# Allegro board 8880F5-0823_RXTX.brd (continued)
## Routing (per net, layer and track width the routed paths; a pad name or vN(x,y) marks a point on that pad's centre or on a via; arc(x,y) is an arc through that point) (continued)
 ; 241.3,80.47 D122.B4 ; D122.B4 241.3,82.09 ; D122.B4 240.49,81.28 ; D122.B4 242.11,81.28 ; 395.43,375.92 D111.A11 ; D111.A11 397.05,375.92 ; D111.A11 396.24,375.11 ; D111.A11 396.24,376.73 ; 194.87,83.82 D317.A15 ; D317.A15 196.29,83.82 ; D317.A15 195.58,83.11 ; D317.A15 195.58,84.53 ; 381,52.53 D107.A1 ; D107.A1 381,54.15 ; D107.A1 380.19,53.34 ; D107.A1 381.81,53.34 ; 401.32,37.29 D108.B9 ; D108.B9 401.32,38.91 ; D108.B9 400.51,38.1 ; D108.B9 402.13,38.1 ; 177.8,342.09 CSDPS429.B10 ; CSDPS429.B10 176.99,342.9 ; CSDPS429.B10 178.61,342.9 ; CSDPS429.B10 177.8,343.71 ; D431.B12 173.53,378.46 ; D431.B12 171.91,378.46 ; D431.B12 172.72,379.27 ; D431.B12 172.72,377.65 ; D132.B15 121.92,38.91 ; D132.B15 121.92,37.29 ; D132.B15 121.11,38.1 ; D132.B15 122.73,38.1 ; 235.41,60.96 D123.B2 ; D123.B2 236.22,61.77 ; D123.B2 236.22,60.15 ; D123.B2 237.03,60.96 ; CSDPS425.B6 261.62,343.71 ; CSDPS425.B6 260.81,342.9 ; CSDPS425.B6 262.43,342.9 ; CSDPS425.B6 261.62,342.09 ; D108.B15 417.37,38.1 ; D108.B15 415.75,38.1 ; D108.B15 416.56,37.29 ; D108.B15 416.56,38.91 ; 86.36,98.25 D129.B1 ; D129.B1 85.55,99.06 ; D129.B1 87.17,99.06 ; D129.B1 86.36,99.87 ; D129.B12 115.11,101.6 ; D129.B12 113.49,101.6 ; D129.B12 114.3,100.79 ; D129.B12 114.3,102.41 ; D108.B11 407.21,38.1 ; D108.B11 406.4,38.91 ; D108.B11 405.59,38.1 ; D108.B11 406.4,37.29 ; D302.A13 338.53,63.5 ; D302.A13 337.11,63.5 ; D302.A13 337.82,64.21 ; D302.A13 337.82,62.79 ; 345.44,347.17 D114.B2 ; D114.B2 346.25,347.98 ; D114.B2 344.63,347.98 ; D114.B2 345.44,348.79 ; 44.91,60.96 D127.B14 ; D127.B14 45.72,61.77 ; D127.B14 46.53,60.96 ; D127.B14 45.72,60.15 ; D112.A16 384.35,393.7 ; D112.A16 382.73,393.7 ; D112.A16 383.54,394.51 ; D112.A16 383.54,392.89 ; D102.A16 345.44,77.01 ; D102.A16 346.25,76.2 ; D102.A16 344.63,76.2 ; D102.A16 345.44,75.39 ; D102.A2 309.88,77.01 ; D102.A2 310.69,76.2 ; D102.A2 309.88,75.39 ; D102.A2 309.07,76.2 ; 398.07,71.12 D306.B8 ; D306.B8 398.78,71.83 ; D306.B8 399.49,71.12 ; D306.B8 398.78,70.41 ; 316.69,78.74 D102.B5 ; D102.B5 318.31,78.74 ; D102.B5 317.5,77.93 ; D102.B5 317.5,79.55 ; 390.35,350.52 D110.B13 ; D110.B13 391.16,351.33 ; D110.B13 391.97,350.52 ; D110.B13 391.16,349.71 ; 326.85,370.84 D115.B9 ; D115.B9 328.47,370.84 ; D115.B9 327.66,371.65 ; D115.B9 327.66,370.03 ; 339.55,353.06 D114.A4 ; D114.A4 341.17,353.06 ; D114.A4 340.36,352.25 ; D114.A4 340.36,353.87 ; 167.64,372.57 D231.A14 ; D231.A14 167.64,374.19 ; D231.A14 168.45,373.38 ; D231.A14 166.83,373.38 ; DPS3.A11 259.08,14.78 ; DPS3.A11 259.89,13.97 ; DPS3.A11 259.08,13.16 ; DPS3.A11 258.27,13.97 ; D132.B8 104.95,40.64 ; D132.B8 104.14,41.45 ; D132.B8 103.33,40.64 ; 319.23,353.06 D114.A12 ; D114.A12 320.85,353.06 ; D114.A12 320.04,352.25 ; D114.A12 320.04,353.87 ; D106.A9 401.32,74.47 ; D106.A9 400.51,73.66 ; D106.A9 402.13,73.66 ; D106.A9 401.32,72.85 ; 332.74,32.21 D104.A11 ; D104.A11 331.93,33.02 ; D104.A11 332.74,33.83 ; D104.A11 333.55,33.02 ; 38.1,32.21 D128.A11 ; D128.A11 38.91,33.02 ; D128.A11 37.29,33.02 ; D128.A11 38.1,33.83 ; 268.43,73.66 D122.A15 ; D122.A15 270.05,73.66 ; D122.A15 269.24,74.47 ; D122.A15 269.24,72.85 ; 411.48,72.85 D106.A13 ; D106.A13 411.48,74.47 ; D106.A13 412.29,73.66 ; D106.A13 410.67,73.66 ; 251.46,90.73 D321.B8 ; D321.B8 250.75,91.44 ; D321.B8 251.46,92.15 ; D321.B8 252.17,91.44 ; 251.43,245.95 SITE1.G19 ; SITE1.G19 251.91,246.43 ; SITE1.G19 250.95,246.43 ; SITE1.G19 251.43,246.91 ; D318.A12 188.67,66.04 ; D318.A12 187.25,66.04 ; D318.A12 187.96,65.33 ; D318.A12 187.96,66.75 ; D131.A1 87.17,53.34 ; D131.A1 86.36,54.15 ; D131.A1 85.55,53.34 ; D131.A1 86.36,52.53 ; D104.B10 331.01,40.64 ; D104.B10 330.2,39.83 ; D104.B10 330.2,41.45 ; D104.B10 329.39,40.64 ; D132.A5 97.33,33.02 ; D132.A5 95.71,33.02 ; D132.A5 96.52,33.83 ; D132.A5 96.52,32.21 ; D111.B15 386.89,370.84 ; D111.B15 386.08,370.03 ; D111.B15 386.08,371.65 ; D111.B15 385.27,370.84 ; D122.A9 254,74.47 ; D122.A9 254.81,73.66 ; D122.A9 254,72.85 ; D122.A9 253.19,73.66 ; 174.45,330.2 CSDPS229.C11 ; CSDPS229.C11 175.26,329.39 ; CSDPS229.C11 176.07,330.2 ; CSDPS229.C11 175.26,331.01 ; D103.B12 336.09,60.96 ; D103.B12 335.28,61.77 ; D103.B12 335.28,60.15 ; D103.B12 334.47,60.96 ; D115.B12 320.85,368.3 ; D115.B12 320.04,367.49 ; D115.B12 319.23,368.3 ; SITE3.G6 253.33,181.81 ; SITE3.G6 252.85,181.33 ; SITE3.G6 253.33,180.85 ; SITE3.G6 253.81,181.33 ; D116.A3 342.9,397.05 ; D116.A3 342.09,396.24 ; D116.A3 342.9,395.43 ; D116.A3 343.71,396.24 ; 398.78,60.15 D107.B8 ; D107.B8 398.78,61.77 ; D107.B8 399.59,60.96 ; D107.B8 397.97,60.96 ; 388.62,387.81 D112.B14 ; D112.B14 389.43,388.62 ; D112.B14 388.62,389.43 ; D112.B14 387.81,388.62 ; 344.63,332.74 D113.A2 ; D113.A2 346.25,332.74 ; D113.A2 345.44,333.55 ; D113.A2 345.44,331.93 ; D108.A6 394.51,35.56 ; D108.A6 393.7,34.75 ; D108.A6 393.7,36.37 ; D108.A6 392.89,35.56 ; SITE2.G5 332.81,241.33 ; SITE2.G5 331.85,241.33 ; SITE2.G5 332.33,241.81 ; SITE2.G5 332.33,240.85 ; 329.85,181.33 SITE4.G3 ; SITE4.G3 330.81,181.33 ; SITE4.G3 330.33,180.85 ; SITE4.G3 330.33,181.81 ; 342.9,334.47 D113.A3 ; D113.A3 342.09,335.28 ; D113.A3 343.71,335.28 ; D113.A3 342.9,336.09 ; D302.B1 307.34,69.29 ; D302.B1 308.05,68.58 ; D302.B1 306.63,68.58 ; D302.B1 307.34,67.87 ; D118.A3 165.91,73.66 ; D118.A3 164.29,73.66 ; D118.A3 165.1,74.47 ; D118.A3 165.1,72.85 ; 421.64,354.79 D110.A1 ; D110.A1 420.83,355.6 ; D110.A1 421.64,356.41 ; D110.A1 422.45,355.6 ; D322.A8 251.46,66.75 ; D322.A8 250.75,66.04 ; D322.A8 251.46,65.33 ; D322.A8 252.17,66.04 ; D129.B2 88.9,102.41 ; D129.B2 88.09,101.6 ; D129.B2 88.9,100.79 ; D129.B2 89.71,101.6 ; 327.66,37.29 D104.B9 ; D104.B9 326.85,38.1 ; D104.B9 328.47,38.1 ; D104.B9 327.66,38.91 ; D125.B3 17.78,99.87 ; D125.B3 17.78,98.25 ; D125.B3 18.59,99.06 ; D125.B3 16.97,99.06 ; 166.93,91.44 D317.B4 ; D317.B4 168.35,91.44 ; D317.B4 167.64,92.15 ; D317.B4 167.64,90.73 ; D111.B4 414.83,368.3 ; D111.B4 414.02,367.49 ; D111.B4 414.02,369.11 ; D111.B4 413.21,368.3 ; 332.63,185.95 SITE4.G20 ; SITE4.G20 333.11,186.43 ; SITE4.G20 332.15,186.43 ; SITE4.G20 332.63,186.91 ; D103.A3 313.23,53.34 ; D103.A3 312.42,54.15 ; D103.A3 311.61,53.34 ; D103.A3 312.42,52.53 ; D112.A5 411.48,397.05 ; D112.A5 410.67,396.24 ; D112.A5 412.29,396.24 ; D112.A5 411.48,395.43 ; 169.47,88.9 D317.B5 ; D317.B5 170.18,89.61 ; D317.B5 170.18,88.19 ; D317.B5 170.89,88.9 ; 340.36,65.33 D302.A14 ; D302.A14 340.36,66.75 ; D302.A14 341.07,66.04 ; D302.A14 339.65,66.04 ; D130.A13 117.65,73.66 ; D130.A13 116.84,72.85 ; D130.A13 116.84,74.47 ; D130.A13 116.03,73.66 ; 253.33,187.45 SITE3.G12 ; SITE3.G12 253.33,188.41 ; SITE3.G12 253.81,187.93 ; SITE3.G12 252.85,187.93 ; 16.97,93.98 D125.A3 ; D125.A3 17.78,94.79 ; D125.A3 18.59,93.98 ; D125.A3 17.78,93.17 ; D102.B4 314.96,82.09 ; D102.B4 314.96,80.47 ; D102.B4 315.77,81.28 ; D102.B4 314.15,81.28 ; 248.55,186.43 SITE3.G17 ; SITE3.G17 249.03,185.95 ; SITE3.G17 249.51,186.43 ; SITE3.G17 249.03,186.91 ; D114.A8 330.2,353.87 ; D114.A8 330.2,352.25 ; D114.A8 329.39,353.06 ; D114.A8 331.01,353.06 ; D112.B5 411.48,391.97 ; D112.B5 410.67,391.16 ; D112.B5 411.48,390.35 ; D112.B5 412.29,391.16 ; 518.92,202.51 S4_I2C.4 ; S4_I2C.4 517.98,203.45 ; S4_I2C.4 518.92,204.39 ; S4_I2C.4 519.86,203.45 ; 256.54,65.33 D322.A10 ; D322.A10 256.54,66.75 ; D322.A10 257.25,66.04 ; D322.A10 255.83,66.04 ; D109.A12 394.51,332.74 ; D109.A12 392.89,332.74 ; D109.A12 393.7,331.93 ; D109.A12 393.7,333.55 ; D109.B9 401.32,331.01 ; D109.B9 402.13,330.2 ; D109.B9 401.32,329.39 ; D109.B9 400.51,330.2 ; D127.B11 38.91,58.42 ; D127.B11 37.29,58.42 ; D127.B11 38.1,59.23 ; D127.B11 38.1,57.61 ; 321.77,391.16 D116.B11 ; D116.B11 322.58,390.35 ; D116.B11 322.58,391.97 ; D116.B11 323.39,391.16 ; 185.42,88.19 D317.B11 ; D317.B11 184.71,88.9 ; D317.B11 186.13,88.9 ; D317.B11 185.42,89.61 ; 103.33,60.96 D131.B8 ; D131.B8 104.95,60.96 ; D131.B8 104.14,60.15 ; D131.B8 104.14,61.77 ; D114.B10 325.12,348.79 ; D114.B10 325.12,347.17 ; D114.B10 325.93,347.98 ; D114.B10 324.31,347.98 ; 121.92,77.93 D130.B15 ; D130.B15 122.73,78.74 ; D130.B15 121.11,78.74 ; D130.B15 121.92,79.55 ; 165.1,52.53 D119.A3 ; D119.A3 164.29,53.34 ; D119.A3 165.1,54.15 ; D119.A3 165.91,53.34 ; D113.A12 320.04,333.55 ; D113.A12 319.23,332.74 ; D113.A12 320.04,331.93 ; D113.A12 320.85,332.74 ; 382.73,60.96 D107.B2 ; D107.B2 384.35,60.96 ; D107.B2 383.54,60.15 ; D107.B2 383.54,61.77 ; 401.32,370.03 D111.B9 ; D111.B9 402.13,370.84 ; D111.B9 401.32,371.65 ; D111.B9 400.51,370.84 ; 194.77,38.1 D120.B15 ; D120.B15 195.58,38.91 ; D120.B15 195.58,37.29 ; D120.B15 196.39,38.1 ; D114.A16 310.69,353.06 ; D114.A16 309.88,353.87 ; D114.A16 309.07,353.06 ; D114.A16 309.88,352.25 ; 91.44,37.29 D132.B3 ; D132.B3 91.44,38.91 ; D132.B3 92.25,38.1 ; D103.B10 331.01,60.96 ; D103.B10 330.2,60.15 ; D103.B10 329.39,60.96 ; D103.B10 330.2,61.77 ; D103.A11 333.55,53.34 ; D103.A11 332.74,52.53 ; D103.A11 332.74,54.15 ; D103.A11 331.93,53.34 ; D302.B12 335.28,71.83 ; D302.B12 334.57,71.12 ; D302.B12 335.99,71.12 ; D302.B12 335.28,70.41 ; 251.46,60.15 D123.B8 ; D123.B8 251.46,61.77 ; D123.B8 250.65,60.96 ; D123.B8 252.27,60.96 ; D129.A14 120.19,96.52 ; D129.A14 119.38,97.33 ; D129.A14 118.57,96.52 ; D125.A1 12.7,94.79 ; D125.A1 12.7,93.17 ; D125.A1 13.51,93.98 ; D125.B7 28.75,99.06 ; D125.B7 27.94,98.25 ; D125.B7 27.94,99.87 ; D125.B7 27.13,99.06 ; 401.32,349.71 D110.B9 ; D110.B9 402.13,350.52 ; D110.B9 401.32,351.33 ; D110.B9 400.51,350.52 ; 263.35,73.66 D122.A13 ; D122.A13 264.16,74.47 ; D122.A13 264.16,72.85 ; D122.A13 264.97,73.66 ; D104.A10 330.2,36.37 ; D104.A10 330.2,34.75 ; D104.A10 329.39,35.56 ; D104.A10 331.01,35.56 ; 331.93,396.24 D116.A7 ; D116.A7 333.55,396.24 ; D116.A7 332.74,395.43 ; D116.A7 332.74,397.05 ; D110.B15 386.89,350.52 ; D110.B15 385.27,350.52 ; D110.B15 386.08,349.71 ; D110.B15 386.08,351.33 ; D111.B16 383.54,369.11 ; D111.B16 383.54,367.49 ; D111.B16 384.35,368.3 ; D111.B16 382.73,368.3 ; D322.B8 251.46,71.83 ; D322.B8 251.46,70.41 ; D322.B8 252.17,71.12 ; D322.B8 250.75,71.12 ; 269.24,52.53 D123.A15 ; D123.A15 270.05,53.34 ; D123.A15 269.24,54.15 ; D123.A15 268.43,53.34 ; D306.B2 383.54,71.83 ; D306.B2 383.54,70.41 ; D306.B2 384.25,71.12 ; D306.B2 382.83,71.12 ; D112.B16 383.54,389.43 ; D112.B16 383.54,387.81 ; D112.B16 382.73,388.62 ; D112.B16 384.35,388.62 ; SITE2.G12 333.81,247.93 ; SITE2.G12 332.85,247.93 ; SITE2.G12 333.33,248.41 ; SITE2.G12 333.33,247.45 ; 253.29,88.9 D321.B9 ; D321.B9 254.71,88.9 ; D321.B9 254,89.61 ; D321.B9 254,88.19 ; D107.B12 409.75,60.96 ; D107.B12 408.13,60.96 ; D107.B12 408.94,61.77 ; D107.B12 408.94,60.15 ; 386.08,88.19 D305.B3 ; D305.B3 386.08,89.61 ; D305.B3 385.37,88.9 ; D305.B3 386.79,88.9 ; 70.61,208.1 S1_I2C.4 ; S1_I2C.4 70.61,209.98 ; S1_I2C.4 71.55,209.04 ; S1_I2C.4 69.67,209.04 ; D132.B4 93.98,41.45 ; D132.B4 93.98,39.83 ; D132.B4 94.79,40.64 ; D102.A3 313.23,73.66 ; D102.A3 311.61,73.66 ; D102.A3 312.42,74.47 ; D102.A3 312.42,72.85 ; D123.B9 254.81,58.42 ; D123.B9 254,59.23 ; D123.B9 254,57.61 ; D123.B9 253.19,58.42 ; SITE2.G19 331.91,246.43 ; SITE2.G19 330.95,246.43 ; SITE2.G19 331.43,245.95 ; SITE2.G19 331.43,246.91 ; D110.A8 403.86,353.87 ; D110.A8 403.05,353.06 ; D110.A8 404.67,353.06 ; D110.A8 403.86,352.25 ; 331.93,350.52 D114.B7 ; D114.B7 332.74,351.33 ; D114.B7 333.55,350.52 ; D114.B7 332.74,349.71 ; 192.23,373.38 D231.A4 ; D231.A4 193.04,374.19 ; D231.A4 193.04,372.57 ; D231.A4 193.85,373.38 ; 180.34,88.19 D317.B9 ; D317.B9 179.63,88.9 ; D317.B9 180.34,89.61 ; D317.B9 181.05,88.9 ; 160.02,385.27 D431.A17 ; D431.A17 160.83,386.08 ; D431.A17 159.21,386.08 ; D431.A17 160.02,386.89 ; 411.48,349.71 D110.B5 ; D110.B5 411.48,351.33 ; D110.B5 410.67,350.52 ; D110.B5 412.29,350.52 ; D115.B2 346.25,368.3 ; D115.B2 344.63,368.3 ; D115.B2 345.44,367.49 ; 332.63,242.35 SITE2.G16 ; SITE2.G16 333.11,242.83 ; SITE2.G16 332.15,242.83 ; SITE2.G16 332.63,243.31 ; 247.85,241.33 SITE1.G1 ; SITE1.G1 248.33,240.85 ; SITE1.G1 248.33,241.81 ; SITE1.G1 248.81,241.33 ; 166.93,66.04 D318.A4 ; D318.A4 168.35,66.04 ; D318.A4 167.64,65.33 ; D318.A4 167.64,66.75 ; 419.1,85.65 D305.A16 ; D305.A16 419.1,87.07 ; D305.A16 419.81,86.36 ; D305.A16 418.39,86.36 ; 307.34,37.29 D104.B1 ; D104.B1 308.15,38.1 ; D104.B1 306.53,38.1 ; D104.B1 307.34,38.91 ; D102.B14 341.17,81.28 ; D102.B14 340.36,80.47 ; D102.B14 339.55,81.28 ; D102.B14 340.36,82.09 ; D113.B13 318.31,330.2 ; D113.B13 317.5,329.39 ; D113.B13 316.69,330.2 ; D113.B13 317.5,331.01 ; D107.A4 389.43,55.88 ; D107.A4 388.62,56.69 ; D107.A4 388.62,55.07 ; D107.A4 387.81,55.88 ; 238.76,339.55 CSDPS425.C15 ; CSDPS425.C15 239.57,340.36 ; CSDPS425.C15 238.76,341.17 ; CSDPS425.C15 237.95,340.36 ; 345.44,55.07 D103.A16 ; D103.A16 346.25,55.88 ; D103.A16 344.63,55.88 ; D103.A16 345.44,56.69 ; 395.43,335.28 D109.A11 ; D109.A11 396.24,334.47 ; D109.A11 397.05,335.28 ; D109.A11 396.24,336.09 ; 393.7,90.73 D305.B6 ; D305.B6 393.7,92.15 ; D305.B6 394.41,91.44 ; D305.B6 392.99,91.44 ; 236.22,80.47 D122.B2 ; D122.B2 237.03,81.28 ; D122.B2 236.22,82.09 ; D122.B2 235.41,81.28 ; D231.B13 170.99,370.84 ; D231.B13 170.18,371.65 ; D231.B13 170.18,370.03 ; D231.B13 169.37,370.84 ; 180.34,52.53 D119.A9 ; D119.A9 180.34,54.15 ; D119.A9 181.15,53.34 ; D119.A9 179.53,53.34 ; D122.A6 246.38,77.01 ; D122.A6 245.57,76.2 ; D122.A6 247.19,76.2 ; D122.A6 246.38,75.39 ; 195.58,380.19 D431.B3 ; D431.B3 196.39,381 ; D431.B3 195.58,381.81 ; D431.B3 194.77,381 ; 182.07,378.46 D431.B8 ; D431.B8 183.69,378.46 ; D431.B8 182.88,377.65 ; D431.B8 182.88,379.27 ; 44.91,101.6 D125.B14 ; D125.B14 45.72,102.41 ; D125.B14 46.53,101.6 ; D125.B14 45.72,100.79 ; D301.B1 308.05,88.9 ; D301.B1 306.63,88.9 ; D301.B1 307.34,88.19 ; D301.B1 307.34,89.61 ; D120.B7 175.26,38.91 ; D120.B7 174.45,38.1 ; D120.B7 176.07,38.1 ; D120.B7 175.26,37.29 ; D115.A10 325.93,373.38 ; D115.A10 324.31,373.38 ; D115.A10 325.12,374.19 ; D115.A10 325.12,372.57 ; 406.4,349.71 D110.B7 ; D110.B7 407.21,350.52 ; D110.B7 406.4,351.33 ; D110.B7 405.59,350.52 ; 254,339.55 CSDPS425.C9 ; CSDPS425.C9 254.81,340.36 ; CSDPS425.C9 254,341.17 ; CSDPS425.C9 253.19,340.36 ; D128.A16 50.8,36.37 ; D128.A16 50.8,34.75 ; D128.A16 51.61,35.56 ; D128.A16 49.99,35.56 ; 314.96,39.83 D104.B4 ; D104.B4 315.77,40.64 ; D104.B4 314.96,41.45 ; D104.B4 314.15,40.64 ; D125.A2 15.24,97.33 ; D125.A2 16.05,96.52 ; D125.A2 14.43,96.52 ; D125.A2 15.24,95.71 ; DPS8.C05 190.5,411.02 ; DPS8.C05 191.31,410.21 ; DPS8.C05 189.69,410.21 ; DPS8.C05 190.5,409.4 ; D107.B4 388.62,61.77 ; D107.B4 388.62,60.15 ; D107.B4 387.81,60.96 ; D107.B4 389.43,60.96 ; 160.02,83.11 D317.A1 ; D317.A1 160.73,83.82 ; D317.A1 160.02,84.53 ; D317.A1 159.31,83.82 ; D125.B8 31.29,101.6 ; D125.B8 29.67,101.6 ; D125.B8 30.48,102.41 ; D125.B8 30.48,100.79 ; 403.86,39.83 D108.B10 ; D108.B10 404.67,40.64 ; D108.B10 403.86,41.45 ; D108.B10 403.05,40.64 ; 30.48,39.83 D128.B8 ; D128.B8 31.29,40.64 ; D128.B8 30.48,41.45 ; D128.B8 29.67,40.64 ; 397.97,81.28 D106.B8 ; D106.B8 398.78,82.09 ; D106.B8 399.59,81.28 ; D106.B8 398.78,80.47 ; D123.B5 243.84,59.23 ; D123.B5 243.03,58.42 ; D123.B5 244.65,58.42 ; D123.B5 243.84,57.61 ; 321.77,330.2 D113.B11 ; D113.B11 322.58,329.39 ; D113.B11 323.39,330.2 ; D113.B11 322.58,331.01 ; D116.B15 312.42,391.97 ; D116.B15 313.23,391.16 ; D116.B15 311.61,391.16 ; D116.B15 312.42,390.35 ; 309.07,373.38 D115.A16 ; D115.A16 309.88,372.57 ; D115.A16 309.88,374.19 ; D115.A16 310.69,373.38 ; 165.1,37.29 D120.B3 ; D120.B3 165.1,38.91 ; D120.B3 165.91,38.1 ; D120.B3 164.29,38.1 ; D124.A16 272.59,35.56 ; D124.A16 271.78,36.37 ; D124.A16 271.78,34.75 ; D124.A16 270.97,35.56 ; D318.B1 160.73,68.58 ; D318.B1 160.02,69.29 ; D318.B1 160.02,67.87 ; D318.B1 159.31,68.58 ; D122.A12 262.43,76.2 ; D122.A12 261.62,75.39 ; D122.A12 260.81,76.2 ; D122.A12 261.62,77.01 ; 198.12,60.15 D119.B16 ; D119.B16 197.31,60.96 ; D119.B16 198.12,61.77 ; D119.B16 198.93,60.96 ; 195.58,88.19 D317.B15 ; D317.B15 196.29,88.9 ; D317.B15 194.87,88.9 ; D317.B15 195.58,89.61 ; 236.22,39.83 D124.B2 ; D124.B2 235.41,40.64 ; D124.B2 237.03,40.64 ; D124.B2 236.22,41.45 ; D123.A16 271.78,56.69 ; D123.A16 272.59,55.88 ; D123.A16 270.97,55.88 ; D123.A16 271.78,55.07 ; D123.B14 266.7,61.77 ; D123.B14 266.7,60.15 ; D123.B14 267.51,60.96 ; D123.B14 265.89,60.96 ; 403.05,332.74 D109.A8 ; D109.A8 404.67,332.74 ; D109.A8 403.86,331.93 ; D109.A8 403.86,333.55 ; 175.26,414.48 DPS8.A11 ; DPS8.A11 174.45,415.29 ; DPS8.A11 176.07,415.29 ; DPS8.A11 175.26,416.1 ; D103.B14 341.17,60.96 ; D103.B14 339.55,60.96 ; D103.B14 340.36,60.15 ; D103.B14 340.36,61.77 ; 419.1,326.85 D109.B2 ; D109.B2 419.1,328.47 ; D109.B2 419.91,327.66 ; D109.B2 418.29,327.66 ; D132.B16 125.27,40.64 ; D132.B16 123.65,40.64 ; D132.B16 124.46,41.45 ; 269.24,77.93 D122.B15 ; D122.B15 270.05,78.74 ; D122.B15 268.43,78.74 ; D122.B15 269.24,79.55 ; 101.6,77.93 D130.B7 101.6,79.55 ; 12.7,32.21 D128.A1 ; D128.A1 11.89,33.02 ; D128.A1 13.51,33.02 ; D128.A1 12.7,33.83 ; D109.B13 391.16,331.01 ; D109.B13 391.97,330.2 ; D109.B13 391.16,329.39 ; D109.B13 390.35,330.2 ; 200.66,370.03 D231.B1 ; D231.B1 200.66,371.65 ; D231.B1 199.85,370.84 ; D231.B1 201.47,370.84 ; 395.43,58.42 D107.B7 ; D107.B7 397.05,58.42 ; D107.B7 396.24,57.61 ; D107.B7 396.24,59.23 ; 325.12,85.65 D301.A8 ; D301.A8 325.83,86.36 ; D301.A8 325.12,87.07 ; D301.A8 324.41,86.36 ; 413.21,76.2 D106.A14 ; D106.A14 414.83,76.2 ; D106.A14 414.02,77.01 ; D106.A14 414.02,75.39 ; D231.B10 178.61,368.3 ; D231.B10 177.8,367.49 ; D231.B10 176.99,368.3 ; D231.B10 177.8,369.11 ; D118.B1 160.02,79.55 ; D118.B1 160.83,78.74 ; D118.B1 160.02,77.93 ; D118.B1 159.21,78.74 ; 337.11,68.58 D302.B13 ; D302.B13 338.53,68.58 ; D302.B13 337.82,69.29 ; D302.B13 337.82,67.87 ; D128.B7 27.94,38.91 ; D128.B7 27.94,37.29 ; D128.B7 28.75,38.1 ; D128.B7 27.13,38.1 ; D129.B3 92.25,99.06 ; D129.B3 91.44,99.87 ; D129.B3 91.44,98.25 ; 170.18,339.55 CSDPS429.C13 ; CSDPS429.C13 169.37,340.36 ; CSDPS429.C13 170.18,341.17 ; CSDPS429.C13 170.99,340.36 ; D114.A13 317.5,356.41 ; D114.A13 318.31,355.6 ; D114.A13 317.5,354.79 ; D114.A13 316.69,355.6 ; SITE1.G14 250.23,243.31 ; SITE1.G14 250.23,242.35 ; SITE1.G14 250.71,242.83 ; SITE1.G14 249.75,242.83 ; 187.96,34.75 D120.A12 ; D120.A12 187.96,36.37 ; D120.A12 188.77,35.56 ; D120.A12 187.15,35.56 ; 249.75,182.83 SITE3.G14 ; SITE3.G14 250.23,182.35 ; SITE3.G14 250.23,183.31 ; SITE3.G14 250.71,182.83 ; D131.A3 91.44,54.15 ; D131.A3 91.44,52.53 ; D131.A3 92.25,53.34 ; 321.77,33.02 D104.A7 ; D104.A7 322.58,32.21 ; D104.A7 322.58,33.83 ; D104.A7 323.39,33.02 ; D119.A13 190.5,54.15 ; D119.A13 191.31,53.34 ; D119.A13 189.69,53.34 ; D119.A13 190.5,52.53 ; 387.81,332.74 D109.A14 ; D109.A14 388.62,331.93 ; D109.A14 388.62,333.55 ; D109.A14 389.43,332.74 ; 110.95,78.74 D130.B11 ; D130.B11 111.76,77.93 ; D130.B11 111.76,79.55 ; D130.B11 112.57,78.74 ; 390.35,396.24 D112.A13 ; D112.A13 391.16,397.05 ; D112.A13 391.16,395.43 ; D112.A13 391.97,396.24 ; SITE2.G3 330.81,241.33 ; SITE2.G3 329.85,241.33 ; SITE2.G3 330.33,240.85 ; SITE2.G3 330.33,241.81 ; 319.23,373.38 D115.A12 ; D115.A12 320.85,373.38 ; D115.A12 320.04,372.57 ; D115.A12 320.04,374.19 ; D108.B5 391.97,38.1 ; D108.B5 390.35,38.1 ; D108.B5 391.16,37.29 ; D108.B5 391.16,38.91 ; D120.B6 172.72,41.45 ; D120.B6 171.91,40.64 ; D120.B6 172.72,39.83 ; D120.B6 173.53,40.64 ; D110.A9 402.13,355.6 ; D110.A9 401.32,356.41 ; D110.A9 401.32,354.79 ; D110.A9 400.51,355.6 ; 413.21,40.64 D108.B14 ; D108.B14 414.83,40.64 ; D108.B14 414.02,41.45 ; D108.B14 414.02,39.83 ; D103.B2 310.69,60.96 ; D103.B2 309.07,60.96 ; D103.B2 309.88,60.15 ; D103.B2 309.88,61.77 ; 340.36,70.41 D302.B14 ; D302.B14 339.65,71.12 ; D302.B14 340.36,71.83 ; D302.B14 341.07,71.12 ; 106.68,77.93 D130.B9 106.68,79.55 ; 27.94,52.53 D127.A7 ; D127.A7 28.75,53.34 ; D127.A7 27.13,53.34 ; D127.A7 27.94,54.15 ; D127.B3 18.59,58.42 ; D127.B3 17.78,57.61 ; D127.B3 16.97,58.42 ; D127.B3 17.78,59.23 ; 410.77,83.82 D305.A13 ; D305.A13 412.19,83.82 ; D305.A13 411.48,84.53 ; 411.48,88.19 D305.B13 ; D305.B13 410.77,88.9 ; D305.B13 412.19,88.9 ; D305.B13 411.48,89.61 ; 111.76,32.21 D132.A11 ; D132.A11 111.76,33.83 ; D132.A11 112.57,33.02 ; D132.A11 110.95,33.02 ; 48.26,98.25 D125.B15 ; D125.B15 49.07,99.06 ; D125.B15 48.26,99.87 ; D125.B15 47.45,99.06 ; D102.B9 327.66,79.55 ; D102.B9 326.85,78.74 ; D102.B9 328.47,78.74 ; D102.B9 327.66,77.93 ; 403.86,80.47 D106.B10 ; D106.B10 404.67,81.28 ; D106.B10 403.05,81.28 ; D106.B10 403.86,82.09 ; D231.B14 168.45,368.3 ; D231.B14 166.83,368.3 ; D231.B14 167.64,367.49 ; D231.B14 167.64,369.11 ; 170.18,72.85 D118.A5 ; D118.A5 170.99,73.66 ; D118.A5 169.37,73.66 ; D118.A5 170.18,74.47 ; D107.A9 401.32,54.15 ; D107.A9 401.32,52.53 ; D107.A9 402.13,53.34 ; D107.A9 400.51,53.34 ; D102.B1 308.15,78.74 ; D102.B1 307.34,79.55 ; D102.B1 306.53,78.74 ; D102.B1 307.34,77.93 ; 268.53,83.82 D321.A15 ; D321.A15 269.24,83.11 ; D321.A15 269.95,83.82 ; D321.A15 269.24,84.53 ; 238.76,83.11 D321.A3 ; D321.A3 238.05,83.82 ; D321.A3 239.47,83.82 ; D321.A3 238.76,84.53 ; 12.7,52.53 D127.A1 ; D127.A1 13.51,53.34 ; D127.A1 12.7,54.15 ; 415.75,355.6 D110.A3 ; D110.A3 416.56,356.41 ; D110.A3 416.56,354.79 ; D110.A3 417.37,355.6 ; D128.B5 23.67,38.1 ; D128.B5 22.86,38.91 ; D128.B5 22.86,37.29 ; D128.B5 22.05,38.1 ; 324.31,55.88 D103.A8 ; D103.A8 325.12,56.69 ; D103.A8 325.93,55.88 ; D103.A8 325.12,55.07 ; 200.66,385.27 D431.A1 ; D431.A1 200.66,386.89 ; D431.A1 201.47,386.08 ; D431.A1 199.85,386.08 ; D125.B12 41.45,101.6 ; D125.B12 40.64,100.79 ; D125.B12 39.83,101.6 ; D125.B12 40.64,102.41 ; 256.54,331.93 CSDPS225.B8 ; CSDPS225.B8 257.35,332.74 ; CSDPS225.B8 255.73,332.74 ; CSDPS225.B8 256.54,333.55 ; D127.A14 46.53,55.88 ; D127.A14 45.72,56.69 ; D127.A14 45.72,55.07 ; D127.A14 44.91,55.88 ; 270.97,40.64 D124.B16 ; D124.B16 272.59,40.64 ; D124.B16 271.78,39.83 ; D124.B16 271.78,41.45 ; D131.B2 89.71,60.96 ; D131.B2 88.9,61.77 ; D131.B2 88.09,60.96 ; D131.B2 88.9,60.15 ; D116.A11 323.39,396.24 ; D116.A11 322.58,395.43 ; D116.A11 322.58,397.05 ; D116.A11 321.77,396.24 ; 418.39,66.04 D306.A16 ; D306.A16 419.1,66.75 ; D306.A16 419.1,65.33 ; D306.A16 419.81,66.04 ; 101.6,72.85 D130.A7 101.6,74.47 ; 248.92,88.19 D321.B7 ; D321.B7 248.92,89.61 ; D321.B7 249.63,88.9 ; D321.B7 248.21,88.9 ; 169.37,330.2 CSDPS229.C13 ; CSDPS229.C13 170.18,331.01 ; CSDPS229.C13 170.99,330.2 ; CSDPS229.C13 170.18,329.39 ; D109.A9 401.32,336.09 ; D109.A9 401.32,334.47 ; D109.A9 402.13,335.28 ; D109.A9 400.51,335.28 ; 330.23,185.95 SITE4.G18 ; SITE4.G18 330.23,186.91 ; SITE4.G18 329.75,186.43 ; SITE4.G18 330.71,186.43 ; 400.61,83.82 D305.A9 ; D305.A9 401.32,84.53 ; D305.A9 401.32,83.11 ; D305.A9 402.03,83.82 ; 264.16,37.29 D124.B13 ; D124.B13 264.97,38.1 ; D124.B13 263.35,38.1 ; D124.B13 264.16,38.91 ; 316.69,58.42 D103.B5 ; D103.B5 317.5,59.23 ; D103.B5 317.5,57.61 ; D103.B5 318.31,58.42 ; D126.B12 41.45,81.28 ; D126.B12 40.64,82.09 ; D126.B12 40.64,80.47 ; D126.B12 39.83,81.28 ; D305.A5 391.87,83.82 ; D305.A5 390.45,83.82 ; D305.A5 391.16,84.53 ; 345.44,372.57 D115.A2 ; D115.A2 344.63,373.38 ; D115.A2 346.25,373.38 ; D115.A2 345.44,374.19 ; 123.65,60.96 D131.B16 ; D131.B16 124.46,61.77 ; D131.B16 125.27,60.96 ; D131.B16 124.46,60.15 ; 269.24,32.21 D124.A15 ; D124.A15 270.05,33.02 ; D124.A15 268.43,33.02 ; D124.A15 269.24,33.83 ; D110.A16 384.35,353.06 ; D110.A16 383.54,353.87 ; D110.A16 382.73,353.06 ; D110.A16 383.54,352.25 ; 177.8,55.07 D119.A8 ; D119.A8 178.61,55.88 ; D119.A8 176.99,55.88 ; D119.A8 177.8,56.69 ; 238.05,68.58 D322.B3 ; D322.B3 238.76,67.87 ; D322.B3 239.47,68.58 ; D322.B3 238.76,69.29 ; 49.99,40.64 D128.B16 ; D128.B16 50.8,39.83 ; D128.B16 50.8,41.45 ; D128.B16 51.61,40.64 ; 50.8,95.71 D125.A16 ; D125.A16 50.8,97.33 ; D125.A16 51.61,96.52 ; D125.A16 49.99,96.52 ; 97.4,174.52 UNK3U2.4 ; UNK3U2.4 98.34,175.46 ; UNK3U2.4 96.46,175.46 ; UNK3U2.4 97.4,176.4 ; D124.B14 267.51,40.64 ; D124.B14 266.7,39.83 ; D124.B14 266.7,41.45 ; D124.B14 265.89,40.64 ; 385.27,53.34 D107.A3 ; D107.A3 386.89,53.34 ; D107.A3 386.08,52.53 ; D107.A3 386.08,54.15 ; 106.68,54.15 D131.A9 106.68,52.53 ; D115.A13 317.5,376.73 ; D115.A13 316.69,375.92 ; D115.A13 317.5,375.11 ; D115.A13 318.31,375.92 ; 90.63,33.02 D132.A3 ; D132.A3 91.44,32.21 ; D132.A3 91.44,33.83 ; D132.A3 92.25,33.02 ; 252.63,182.35 SITE3.G16 ; SITE3.G16 252.15,182.83 ; SITE3.G16 252.63,183.31 ; SITE3.G16 253.11,182.83 ; D114.A11 323.39,355.6 ; D114.A11 321.77,355.6 ; D114.A11 322.58,356.41 ; D114.A11 322.58,354.79 ; 182.88,367.49 D231.B8 ; D231.B8 183.69,368.3 ; D231.B8 182.07,368.3 ; D231.B8 182.88,369.11 ; 194.77,375.92 D231.A3 ; D231.A3 195.58,376.73 ; D231.A3 195.58,375.11 ; D231.A3 196.39,375.92 ; 390.45,63.5 D306.A5 ; D306.A5 391.87,63.5 ; D306.A5 391.16,64.21 ; D306.A5 391.16,62.79 ; D102.A14 341.17,76.2 ; D102.A14 340.36,75.39 ; D102.A14 340.36,77.01 ; D102.A14 339.55,76.2 ; D104.B16 345.44,41.45 ; D104.B16 346.25,40.64 ; D104.B16 345.44,39.83 ; D104.B16 344.63,40.64 ; D106.A10 403.86,77.01 ; D106.A10 403.86,75.39 ; D106.A10 404.67,76.2 ; D106.A10 403.05,76.2 ; D318.A5 170.89,63.5 ; D318.A5 170.18,62.79 ; D318.A5 170.18,64.21 ; D318.A5 169.47,63.5 ; 11.89,38.1 D128.B1 ; D128.B1 12.7,38.91 ; D128.B1 12.7,37.29 ; D128.B1 13.51,38.1 ; 193.04,382.73 D431.A4 ; D431.A4 193.85,383.54 ; D431.A4 192.23,383.54 ; D431.A4 193.04,384.35 ; D106.A11 407.21,73.66 ; D106.A11 406.4,74.47 ; D106.A11 405.59,73.66 ; D106.A11 406.4,72.85 ; 93.17,35.56 D132.A4 94.79,35.56 ; 40.64,55.07 D127.A12 ; D127.A12 39.83,55.88 ; D127.A12 40.64,56.69 ; D127.A12 41.45,55.88 ; D104.B11 333.55,38.1 ; D104.B11 331.93,38.1 ; D104.B11 332.74,38.91 ; D104.B11 332.74,37.29 ; SITE3.G4 251.33,181.81 ; SITE3.G4 250.85,181.33 ; SITE3.G4 251.33,180.85 ; SITE3.G4 251.81,181.33 ; D120.A6 172.72,36.37 ; D120.A6 173.53,35.56 ; D120.A6 171.91,35.56 ; D120.A6 172.72,34.75 ; 387.81,40.64 D108.B4 ; D108.B4 388.62,41.45 ; D108.B4 388.62,39.83 ; D108.B4 389.43,40.64 ; D131.B13 117.65,58.42 ; D131.B13 116.03,58.42 ; D131.B13 116.84,57.61 ; D131.B13 116.84,59.23 ; CSDPS425.B12 247.19,342.9 ; CSDPS425.B12 245.57,342.9 ; CSDPS425.B12 246.38,343.71 ; CSDPS425.B12 246.38,342.09 ; 416.56,62.79 D306.A15 ; D306.A15 417.27,63.5 ; D306.A15 415.85,63.5 ; D306.A15 416.56,64.21 ; D127.B9 33.83,58.42 ; D127.B9 33.02,57.61 ; D127.B9 33.02,59.23 ; D127.B9 32.21,58.42 ; 167.64,70.41 D318.B4 ; D318.B4 168.35,71.12 ; D318.B4 166.93,71.12 ; 121.11,93.98 D129.A15 ; D129.A15 121.92,94.79 ; D129.A15 122.73,93.98 ; CSDPS425.B2 272.59,342.9 ; CSDPS425.B2 271.78,342.09 ; CSDPS425.B2 271.78,343.71 ; CSDPS425.B2 270.97,342.9 ; 250.95,182.83 SITE3.G15 ; SITE3.G15 251.43,183.31 ; SITE3.G15 251.91,182.83 ; SITE3.G15 251.43,182.35 ; D107.A13 411.48,54.15 ; D107.A13 410.67,53.34 ; D107.A13 411.48,52.53 ; D107.A13 412.29,53.34 ; D125.B1 12.7,99.87 ; D125.B1 13.51,99.06 ; D125.B1 12.7,98.25 ; D129.A13 117.65,93.98 ; D129.A13 116.84,94.79 ; D129.A13 116.03,93.98 ; D317.A8 178.51,86.36 ; D317.A8 177.8,87.07 ; D317.A8 177.09,86.36 ; D317.A8 177.8,85.65 ; D102.A4 315.77,76.2 ; D102.A4 314.15,76.2 ; D102.A4 314.96,75.39 ; D102.A4 314.96,77.01 ; 415.75,330.2 D109.B3 ; D109.B3 417.37,330.2 ; D109.B3 416.56,329.39 ; D109.B3 416.56,331.01 ; 43.18,72.85 D126.A13 ; D126.A13 43.99,73.66 ; D126.A13 43.18,74.47 ; D126.A13 42.37,73.66 ; D130.A10 109.22,77.01 ; D130.A10 110.03,76.2 ; D130.A10 109.22,75.39 ; D130.A10 108.41,76.2 ; 182.88,85.65 D317.A10 ; D317.A10 182.88,87.07 ; D317.A10 182.17,86.36 ; D317.A10 183.59,86.36 ; 232.87,33.02 D124.A1 ; D124.A1 234.49,33.02 ; D124.A1 233.68,33.83 ; D124.A1 233.68,32.21 ; 380.29,83.82 D305.A1 ; D305.A1 381,84.53 ; D305.A1 381.71,83.82 ; D118.B7 175.26,79.55 ; D118.B7 176.07,78.74 ; D118.B7 174.45,78.74 ; D118.B7 175.26,77.93 ; D102.A8 325.93,76.2 ; D102.A8 325.12,77.01 ; D102.A8 325.12,75.39 ; D102.A8 324.31,76.2 ; D110.B4 414.02,348.79 ; D110.B4 413.21,347.98 ; D110.B4 414.02,347.17 ; D110.B4 414.83,347.98 ; 256.54,80.47 D122.B10 ; D122.B10 256.54,82.09 ; D122.B10 257.35,81.28 ; D122.B10 255.73,81.28 ; D130.B3 92.25,78.74 ; D130.B3 91.44,77.93 ; D130.B3 91.44,79.55 ; 271.07,86.36 D321.A16 ; D321.A16 271.78,87.07 ; D321.A16 272.49,86.36 ; D321.A16 271.78,85.65 ; D231.B4 193.85,368.3 ; D231.B4 193.04,369.11 ; D231.B4 193.04,367.49 ; D231.B4 192.23,368.3 ; D124.A14 266.7,36.37 ; D124.A14 266.7,34.75 ; D124.A14 267.51,35.56 ; D124.A14 265.89,35.56 ; SITE4.G15 331.91,182.83 ; SITE4.G15 331.43,182.35 ; SITE4.G15 331.43,183.31 ; SITE4.G15 330.95,182.83 ; D322.A9 254,64.21 ; D322.A9 254.71,63.5 ; D322.A9 253.29,63.5 ; D322.A9 254,62.79 ; D115.A5 337.82,376.73 ; D115.A5 337.82,375.11 ; D115.A5 338.63,375.92 ; D115.A5 337.01,375.92 ; D120.B8 177.8,41.45 ; D120.B8 178.61,40.64 ; D120.B8 177.8,39.83 ; D120.B8 176.99,40.64 ; SITE4.G12 333.33,188.41 ; SITE4.G12 333.33,187.45 ; SITE4.G12 332.85,187.93 ; SITE4.G12 333.81,187.93 ; 403.86,60.15 D107.B10 ; D107.B10 403.86,61.77 ; D107.B10 403.05,60.96 ; D107.B10 404.67,60.96 ; D120.A7 175.26,33.83 ; D120.A7 175.26,32.21 ; D120.A7 176.07,33.02 ; D120.A7 174.45,33.02 ; 187.15,332.74 CSDPS229.B6 ; CSDPS229.B6 187.96,331.93 ; CSDPS229.B6 188.77,332.74 ; CSDPS229.B6 187.96,333.55 ; CSDPS429.B14 168.45,342.9 ; CSDPS429.B14 167.64,343.71 ; CSDPS429.B14 167.64,342.09 ; CSDPS429.B14 166.83,342.9 ; D103.B6 320.85,60.96 ; D103.B6 320.04,61.77 ; D103.B6 319.23,60.96 ; D103.B6 320.04,60.15 ; 160.02,88.19 D317.B1 ; D317.B1 160.73,88.9 ; D317.B1 160.02,89.61 ; D317.B1 159.31,88.9 ; 342.09,391.16 D116.B3 ; D116.B3 342.9,391.97 ; D116.B3 342.9,390.35 ; D116.B3 343.71,391.16 ; 312.42,334.47 D113.A15 ; D113.A15 311.61,335.28 ; D113.A15 312.42,336.09 ; D113.A15 313.23,335.28 ; 245.57,332.74 CSDPS225.B12 ; CSDPS225.B12 247.19,332.74 ; CSDPS225.B12 246.38,333.55 ; CSDPS225.B12 246.38,331.93 ; 187.96,60.15 D119.B12 ; D119.B12 187.15,60.96 ; D119.B12 188.77,60.96 ; D119.B12 187.96,61.77 ; 199.85,375.92 D231.A1 ; D231.A1 201.47,375.92 ; D231.A1 200.66,375.11 ; D231.A1 200.66,376.73 ; 106.68,98.25 D129.B9 106.68,99.87 ; 393.7,60.15 D107.B6 ; D107.B6 394.51,60.96 ; D107.B6 393.7,61.77 ; D107.B6 392.89,60.96 ; 179.53,73.66 D118.A9 ; D118.A9 180.34,72.85 ; D118.A9 181.15,73.66 ; D118.A9 180.34,74.47 ; D103.A15 342.9,54.15 ; D103.A15 342.9,52.53 ; D103.A15 343.71,53.34 ; D103.A15 342.09,53.34 ; D124.B15 270.05,38.1 ; D124.B15 269.24,37.29 ; D124.B15 269.24,38.91 ; D124.B15 268.43,38.1 ; D112.A8 404.67,393.7 ; D112.A8 403.86,394.51 ; D112.A8 403.05,393.7 ; D112.A8 403.86,392.89 ; 99.06,60.15 D131.B6 ; D131.B6 99.06,61.77 ; D131.B6 98.25,60.96 ; D131.B6 99.87,60.96 ; CSDPS425.B10 251.46,343.71 ; CSDPS425.B10 252.27,342.9 ; CSDPS425.B10 250.65,342.9 ; CSDPS425.B10 251.46,342.09 ; 408.13,332.74 D109.A6 ; D109.A6 408.94,333.55 ; D109.A6 409.75,332.74 ; D109.A6 408.94,331.93 ; D318.A8 177.8,66.75 ; D318.A8 177.8,65.33 ; D318.A8 178.51,66.04 ; D318.A8 177.09,66.04 ; DPS3.C11 259.08,19.86 ; DPS3.C11 259.89,19.05 ; DPS3.C11 258.27,19.05 ; DPS3.C11 259.08,18.24 ; 342.9,62.79 D302.A15 ; D302.A15 343.61,63.5 ; D302.A15 342.9,64.21 ; D302.A15 342.19,63.5 ; D119.B7 176.07,58.42 ; D119.B7 175.26,57.61 ; D119.B7 174.45,58.42 ; D115.B10 325.93,368.3 ; D115.B10 324.31,368.3 ; D115.B10 325.12,367.49 ; D125.B9 33.02,99.87 ; D125.B9 33.83,99.06 ; D125.B9 32.21,99.06 ; D125.B9 33.02,98.25 ; 176.99,373.38 D231.A10 ; D231.A10 177.8,374.19 ; D231.A10 177.8,372.57 ; D231.A10 178.61,373.38 ; D112.A9 402.13,396.24 ; D112.A9 401.32,395.43 ; D112.A9 400.51,396.24 ; D112.A9 401.32,397.05 ; 43.18,37.29 D128.B13 ; D128.B13 42.37,38.1 ; D128.B13 43.99,38.1 ; D128.B13 43.18,38.91 ; D305.B4 388.62,92.15 ; D305.B4 387.91,91.44 ; D305.B4 388.62,90.73 ; D305.B4 389.33,91.44 ; D122.B12 262.43,81.28 ; D122.B12 261.62,82.09 ; D122.B12 260.81,81.28 ; D122.B12 261.62,80.47 ; D301.B9 328.37,88.9 ; D301.B9 327.66,88.19 ; D301.B9 327.66,89.61 ; D301.B9 326.95,88.9 ; 385.27,375.92 D111.A15 ; D111.A15 386.08,375.11 ; D111.A15 386.08,376.73 ; D111.A15 386.89,375.92 ; 241.3,55.07 D123.A4 ; D123.A4 240.49,55.88 ; D123.A4 242.11,55.88 ; D123.A4 241.3,56.69 ; 403.05,327.66 D109.B8 ; D109.B8 403.86,326.85 ; D109.B8 404.67,327.66 ; D109.B8 403.86,328.47 ; 385.27,38.1 D108.B3 ; D108.B3 386.89,38.1 ; D108.B3 386.08,37.29 ; D108.B3 386.08,38.91 ; 337.82,32.21 D104.A13 ; D104.A13 337.01,33.02 ; D104.A13 338.63,33.02 ; D104.A13 337.82,33.83 ; D108.A12 408.94,36.37 ; D108.A12 408.13,35.56 ; D108.A12 408.94,34.75 ; D108.A12 409.75,35.56 ; 382.83,91.44 D305.B2 ; D305.B2 383.54,92.15 ; D305.B2 383.54,90.73 ; D305.B2 384.25,91.44 ; 265.99,71.12 D322.B14 ; D322.B14 266.7,70.41 ; D322.B14 267.41,71.12 ; D322.B14 266.7,71.83 ; D109.A4 414.83,332.74 ; D109.A4 414.02,331.93 ; D109.A4 414.02,333.55 ; D109.A4 413.21,332.74 ; D306.B6 393.7,71.83 ; D306.B6 394.41,71.12 ; D306.B6 392.99,71.12 ; D306.B6 393.7,70.41 ; 347.17,335.28 D113.A1 ; D113.A1 347.98,336.09 ; D113.A1 347.98,334.47 ; D113.A1 348.79,335.28 ; 337.11,83.82 D301.A13 ; D301.A13 337.82,84.53 ; D301.A13 338.53,83.82 ; D301.A13 337.82,83.11 ; D305.B8 399.49,91.44 ; D305.B8 398.78,90.73 ; D305.B8 398.78,92.15 ; D305.B8 398.07,91.44 ; D108.A14 414.83,35.56 ; D108.A14 413.21,35.56 ; D108.A14 414.02,36.37 ; D108.A14 414.02,34.75 ; 324.31,332.74 D113.A10 ; D113.A10 325.12,331.93 ; D113.A10 325.93,332.74 ; D113.A10 325.12,333.55 ; 411.48,334.47 D109.A5 ; D109.A5 410.67,335.28 ; D109.A5 412.29,335.28 ; D109.A5 411.48,336.09 ; 101.6,32.21 D132.A7 ; D132.A7 102.41,33.02 ; D132.A7 101.6,33.83 ; D132.A7 100.79,33.02 ; D120.B1 160.83,38.1 ; D120.B1 160.02,37.29 ; D120.B1 159.21,38.1 ; D120.B1 160.02,38.91 ; 109.22,80.47 D130.B10 ; D130.B10 108.41,81.28 ; D130.B10 109.22,82.09 ; D130.B10 110.03,81.28 ; D126.B15 48.26,79.55 ; D126.B15 48.26,77.93 ; D126.B15 47.45,78.74 ; D126.B15 49.07,78.74 ; 327.85,187.93 SITE4.G7 ; SITE4.G7 328.33,188.41 ; SITE4.G7 328.81,187.93 ; SITE4.G7 328.33,187.45 ; D131.A5 96.52,54.15 ; D131.A5 97.33,53.34 ; D131.A5 96.52,52.53 ; D431.B11 176.07,381 ; D431.B11 174.45,381 ; D431.B11 175.26,381.81 ; D431.B11 175.26,380.19 ; CSDPS425.C7 259.08,341.17 ; CSDPS425.C7 259.89,340.36 ; CSDPS425.C7 258.27,340.36 ; CSDPS425.C7 259.08,339.55 ; 312.42,375.11 D115.A15 ; D115.A15 313.23,375.92 ; D115.A15 312.42,376.73 ; D115.A15 311.61,375.92 ; 96.52,93.17 D129.A5 ; D129.A5 97.33,93.98 ; D129.A5 96.52,94.79 ; D120.B2 162.56,41.45 ; D120.B2 162.56,39.83 ; D120.B2 161.75,40.64 ; D120.B2 163.37,40.64 ; D108.A3 386.08,33.83 ; D108.A3 385.27,33.02 ; D108.A3 386.89,33.02 ; D108.A3 386.08,32.21 ; D119.A12 188.77,55.88 ; D119.A12 187.96,56.69 ; D119.A12 187.15,55.88 ; D119.A12 187.96,55.07 ; 403.86,387.81 D112.B8 ; D112.B8 403.86,389.43 ; D112.B8 404.67,388.62 ; D112.B8 403.05,388.62 ; CSDPS425.B4 266.7,343.71 ; CSDPS425.B4 266.7,342.09 ; CSDPS425.B4 265.89,342.9 ; CSDPS425.B4 267.51,342.9 ; 395.43,330.2 D109.B11 ; D109.B11 396.24,329.39 ; D109.B11 397.05,330.2 ; D109.B11 396.24,331.01 ; 330.23,242.35 SITE2.G14 ; SITE2.G14 330.71,242.83 ; SITE2.G14 330.23,243.31 ; SITE2.G14 329.75,242.83 ; 387.81,327.66 D109.B14 ; D109.B14 388.62,326.85 ; D109.B14 389.43,327.66 ; D109.B14 388.62,328.47 ; D131.A14 119.38,56.69 ; D131.A14 120.19,55.88 ; D131.A14 118.57,55.88 ; D131.A14 119.38,55.07 ; D112.A11 396.24,397.05 ; D112.A11 397.05,396.24 ; D112.A11 395.43,396.24 ; D112.A11 396.24,395.43 ; D130.B5 96.52,79.55 ; D130.B5 97.33,78.74 ; D130.B5 96.52,77.93 ; D317.B16 198.83,91.44 ; D317.B16 198.12,92.15 ; D317.B16 198.12,90.73 ; D317.B16 197.41,91.44 ; D102.B8 325.93,81.28 ; D102.B8 325.12,80.47 ; D102.B8 324.31,81.28 ; D102.B8 325.12,82.09 ; 254,37.29 D124.B9 ; D124.B9 254,38.91 ; D124.B9 253.19,38.1 ; D124.B9 254.81,38.1 ; 250.95,242.83 SITE1.G15 ; SITE1.G15 251.91,242.83 ; SITE1.G15 251.43,242.35 ; SITE1.G15 251.43,243.31 ; D116.B16 310.69,388.62 ; D116.B16 309.88,387.81 ; D116.B16 309.88,389.43 ; D116.B16 309.07,388.62 ; 327.85,241.33 SITE2.G1 ; SITE2.G1 328.81,241.33 ; SITE2.G1 328.33,240.85 ; SITE2.G1 328.33,241.81 ; 40.64,95.71 D125.A12 ; D125.A12 40.64,97.33 ; D125.A12 41.45,96.52 ; D125.A12 39.83,96.52 ; 418.29,353.06 D110.A2 ; D110.A2 419.91,353.06 ; D110.A2 419.1,353.87 ; D110.A2 419.1,352.25 ; D301.B6 320.04,92.15 ; D301.B6 320.04,90.73 ; D301.B6 320.75,91.44 ; D301.B6 319.33,91.44 ; 330.2,55.07 D103.A10 ; D103.A10 331.01,55.88 ; D103.A10 329.39,55.88 ; D103.A10 330.2,56.69 ; 405.59,19.05 DPS1.C11 ; DPS1.C11 406.4,18.24 ; DPS1.C11 406.4,19.86 ; DPS1.C11 407.21,19.05 ; D107.A16 419.1,56.69 ; D107.A16 418.29,55.88 ; D107.A16 419.91,55.88 ; D107.A16 419.1,55.07 ; D115.B11 322.58,371.65 ; D115.B11 321.77,370.84 ; D115.B11 322.58,370.03 ; D115.B11 323.39,370.84 ; D131.B10 109.22,61.77 ; D131.B10 110.03,60.96 ; D131.B10 108.41,60.96 ; D131.B10 109.22,60.15 ; 419.1,60.15 D107.B16 ; D107.B16 418.29,60.96 ; D107.B16 419.91,60.96 ; D107.B16 419.1,61.77 ; D231.A6 187.96,374.19 ; D231.A6 188.77,373.38 ; D231.A6 187.15,373.38 ; D231.A6 187.96,372.57 ; 32.21,73.66 D126.A9 ; D126.A9 33.83,73.66 ; D126.A9 33.02,74.47 ; D126.A9 33.02,72.85 ; D120.A10 182.88,36.37 ; D120.A10 182.88,34.75 ; D120.A10 182.07,35.56 ; D120.A10 183.69,35.56 ; D306.B12 409.65,71.12 ; D306.B12 408.23,71.12 ; D306.B12 408.94,70.41 ; D306.B12 408.94,71.83 ; 335.28,90.73 D301.B12 ; D301.B12 334.57,91.44 ; D301.B12 335.28,92.15 ; D301.B12 335.99,91.44 ; D122.A4 242.11,76.2 ; D122.A4 241.3,77.01 ; D122.A4 240.49,76.2 ; D122.A4 241.3,75.39 ; D118.B10 182.88,82.09 ; D118.B10 182.07,81.28 ; D118.B10 183.69,81.28 ; 265.89,81.28 D122.B14 ; D122.B14 266.7,82.09 ; D122.B14 267.51,81.28 ; D122.B14 266.7,80.47 ; 406.4,395.43 D112.A7 ; D112.A7 407.21,396.24 ; D112.A7 405.59,396.24 ; D112.A7 406.4,397.05 ; D306.A10 403.86,66.75 ; D306.A10 403.86,65.33 ; D306.A10 404.57,66.04 ; D306.A10 403.15,66.04 ; 14.43,55.88 D127.A2 ; D127.A2 15.24,56.69 ; D127.A2 16.05,55.88 ; 243.84,18.24 DPS3.C05 ; DPS3.C05 243.03,19.05 ; DPS3.C05 244.65,19.05 ; DPS3.C05 243.84,19.86 ; D129.B5 96.52,99.87 ; D129.B5 97.33,99.06 ; D129.B5 96.52,98.25 ; D112.A14 389.43,393.7 ; D112.A14 387.81,393.7 ; D112.A14 388.62,394.51 ; D112.A14 388.62,392.89 ; 324.31,388.62 D116.B10 ; D116.B10 325.93,388.62 ; D116.B10 325.12,389.43 ; D116.B10 325.12,387.81 ; D104.A14 341.17,35.56 ; D104.A14 339.55,35.56 ; D104.A14 340.36,36.37 ; D104.A14 340.36,34.75 ; 251.43,185.95 SITE3.G19 ; SITE3.G19 251.43,186.91 ; SITE3.G19 250.95,186.43 ; SITE3.G19 251.91,186.43 ; D130.B8 104.14,82.09 ; D130.B8 104.95,81.28 ; D130.B8 103.33,81.28 ; D130.B8 104.14,80.47 ; D301.A11 332.74,84.53 ; D301.A11 332.74,83.11 ; D301.A11 333.45,83.82 ; D301.A11 332.03,83.82 ; D114.B11 322.58,351.33 ; D114.B11 323.39,350.52 ; D114.B11 321.77,350.52 ; D114.B11 322.58,349.71 ; 45.72,39.83 D128.B14 ; D128.B14 44.91,40.64 ; D128.B14 46.53,40.64 ; D128.B14 45.72,41.45 ; 185.42,57.61 D119.B11 ; D119.B11 184.61,58.42 ; D119.B11 186.23,58.42 ; 25.4,80.47 D126.B6 ; D126.B6 25.4,82.09 ; D126.B6 26.21,81.28 ; D126.B6 24.59,81.28 ; 22.05,58.42 D127.B5 ; D127.B5 23.67,58.42 ; D127.B5 22.86,57.61 ; D127.B5 22.86,59.23 ; 393.7,372.57 D111.A12 ; D111.A12 393.7,374.19 ; D111.A12 392.89,373.38 ; D111.A12 394.51,373.38 ; D104.A12 336.09,35.56 ; D104.A12 335.28,36.37 ; D104.A12 335.28,34.75 ; D104.A12 334.47,35.56 ; D111.B10 399.59,368.3 ; D111.B10 397.97,368.3 ; D111.B10 398.78,367.49 ; D111.B10 398.78,369.11 ; D111.B5 412.29,370.84 ; D111.B5 411.48,370.03 ; D111.B5 410.67,370.84 ; D111.B5 411.48,371.65 ; D318.B2 163.27,71.12 ; D318.B2 162.56,70.41 ; D318.B2 161.85,71.12 ; SITE1.G10 251.33,248.41 ; SITE1.G10 251.33,247.45 ; SITE1.G10 250.85,247.93 ; SITE1.G10 251.81,247.93 ; 396.24,37.29 D108.B7 ; D108.B7 396.24,38.91 ; D108.B7 397.05,38.1 ; D108.B7 395.43,38.1 ; UNK3U1.4 98.23,161.85 ; UNK3U1.4 96.35,161.85 ; UNK3U1.4 97.29,162.79 ; 332.33,187.45 SITE4.G11 ; SITE4.G11 332.33,188.41 ; SITE4.G11 331.85,187.93 ; SITE4.G11 332.81,187.93 ; D120.A2 163.37,35.56 ; D120.A2 162.56,34.75 ; D120.A2 162.56,36.37 ; D120.A2 161.75,35.56 ; 250.75,86.36 D321.A8 ; D321.A8 252.17,86.36 ; D321.A8 251.46,85.65 ; D321.A8 251.46,87.07 ; 177.09,71.12 D318.B8 ; D318.B8 177.8,70.41 ; D318.B8 178.51,71.12 ; 192.23,76.2 D118.A14 ; D118.A14 193.85,76.2 ; D118.A14 193.04,75.39 ; D118.A14 193.04,77.01 ; 481.65,228.55 UNK2U1.4 ; UNK2U1.4 483.53,228.55 ; UNK2U1.4 482.59,227.61 ; D124.A11 259.89,33.02 ; D124.A11 259.08,32.21 ; D124.A11 259.08,33.83 ; D124.A11 258.27,33.02 